# KiCad board Sofle_Pico.kicad_pcb
date: 2024-07-04; rev: v3.5.6
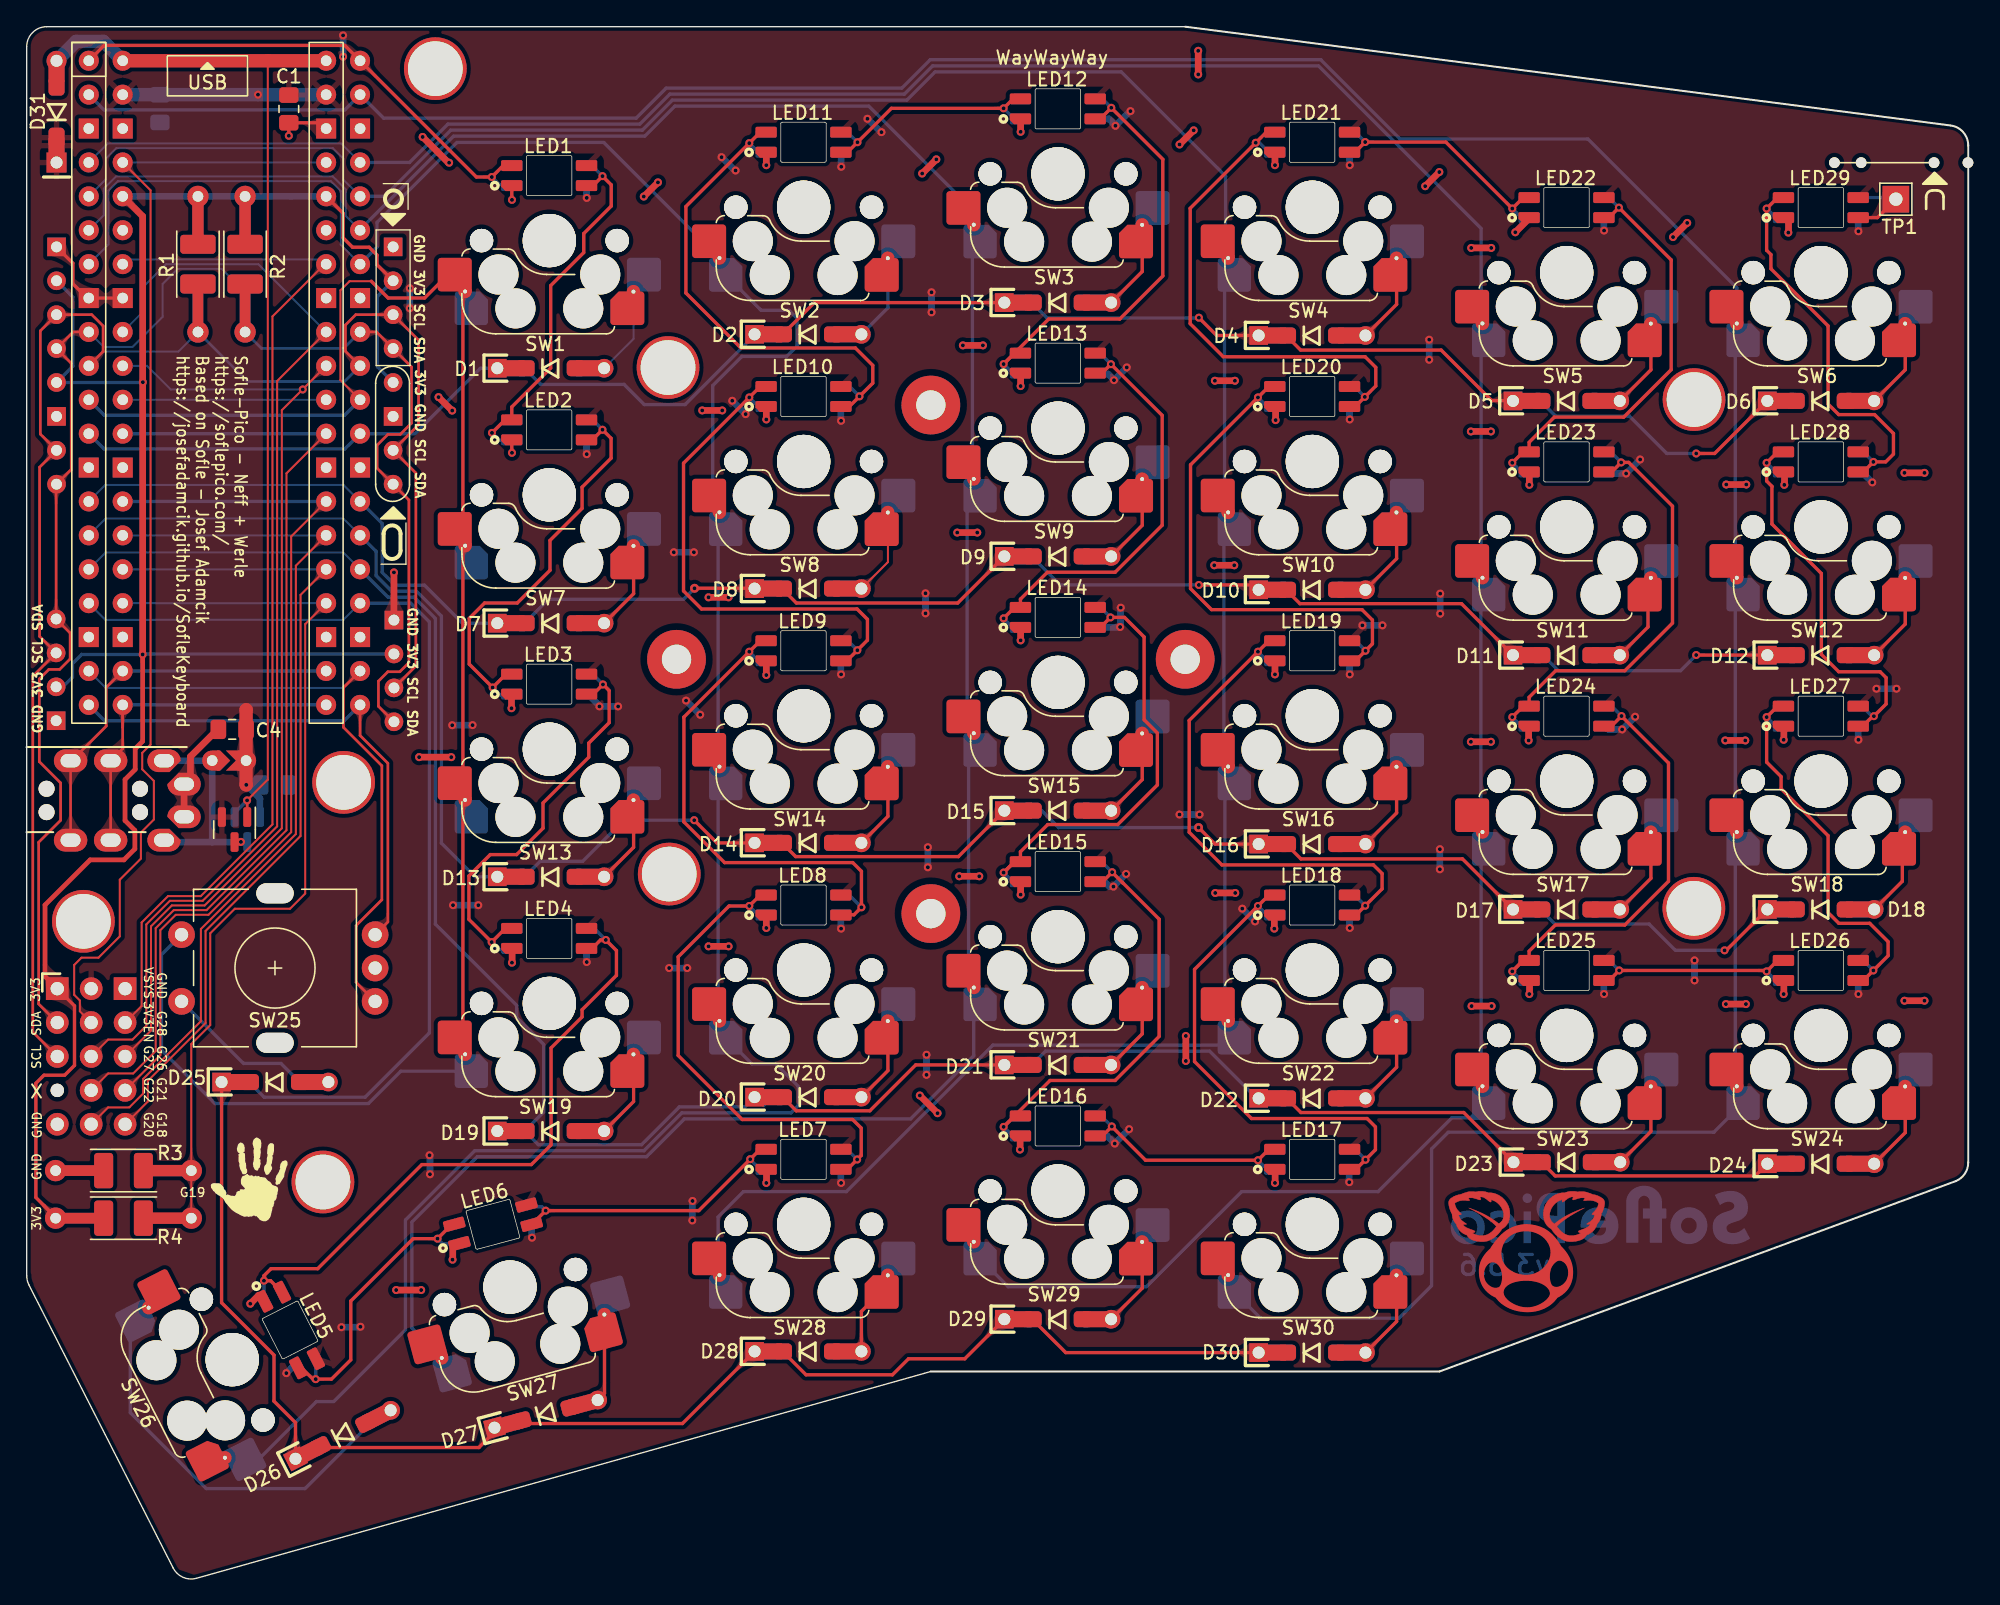
[diagram p0: board, top side]
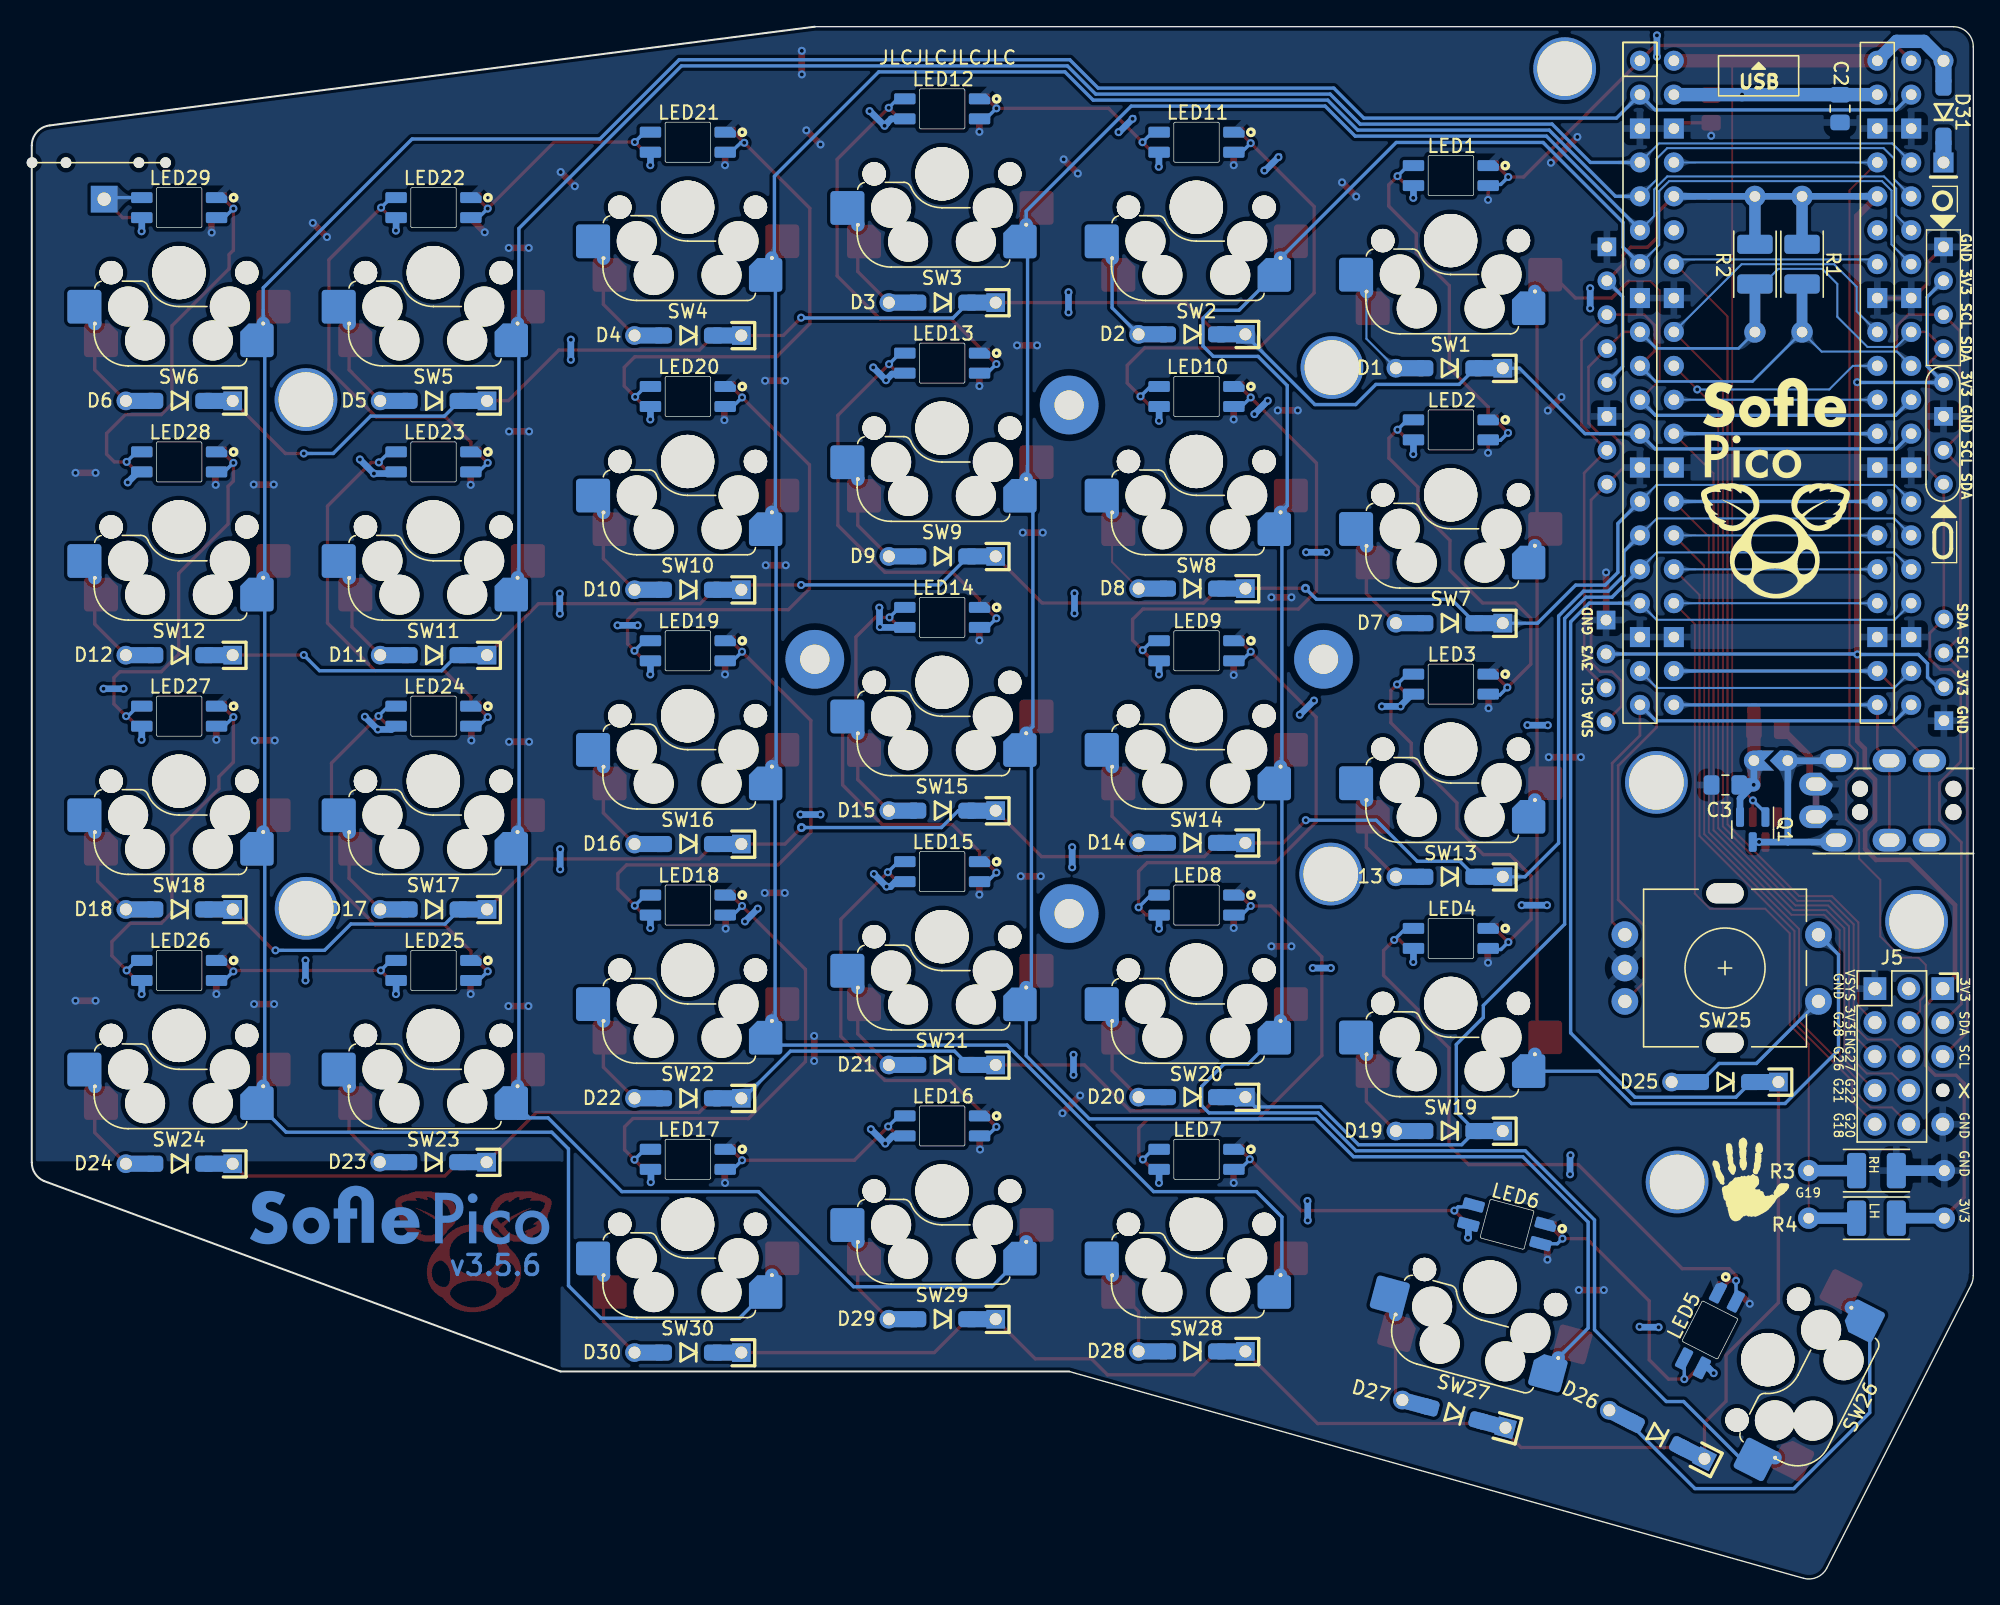
[diagram p1: board, bottom side, seen from below]

Outline 145.42 x 116.25 mm; copper layers: Top, Bottom. Coordinates in mm from the lower left corner of the outline.
Outline path: 0,22.69 0,114.75 arc(0.44,115.81) 1.5,116.25 86.77,116.25 144.09,108.85 arc(145.04,108.35) 145.42,107.35 145.42,31.15 arc(145.17,30.32) 144.52,29.77 105.82,15.5 67.72,15.5 12.71,0 arc(11.7,0.07) 10.97,0.77 0.16,21.98 ; 0.17,21.98 arc(0.04,22.33) 0,22.69
Stack: Top 0.035mm / dielectric 1.51mm FR4 er 4.5 / Bottom 0.035mm

## Placement (name value [footprint] x y rotation side)
C1  1uF  [C_0805_2012Metric_Pad1.18x1.45mm_HandSolder]  19.63 110.08 270 top  (not fitted)
C2  0.1uF  [C_0805_2012Metric_Pad1.18x1.45mm_HandSolder]  9.98 110.11 270 bottom  (not fitted)
C3  0.1uF  [C_0805_2012Metric_Pad1.18x1.45mm_HandSolder]  18.57 59.44 0 bottom  (not fitted)
C4  0.1uF  [C_0805_2012Metric_Pad1.18x1.45mm_HandSolder]  15.39 63.6 180 top  (not fitted)
D1  D  [D_SOD-123_DO-35_Hybrid_DoubleSided_V2]  39.25 90.66 0 bottom
D2  D  [D_SOD-123_DO-35_Hybrid_DoubleSided_V2]  58.52 93.2 0 bottom
D3  D  [D_SOD-123_DO-35_Hybrid_DoubleSided_V2]  77.22 95.58 0 bottom
D4  D  [D_SOD-123_DO-35_Hybrid_DoubleSided_V2]  96.27 93.11 0 bottom
D5  D  [D_SOD-123_DO-35_Hybrid_DoubleSided_V2]  115.32 88.21 0 bottom
D6  D  [D_SOD-123_DO-35_Hybrid_DoubleSided_V2]  134.37 88.21 0 bottom
D7  D  [D_SOD-123_DO-35_Hybrid_DoubleSided_V2]  39.25 71.56 0 bottom
D8  D  [D_SOD-123_DO-35_Hybrid_DoubleSided_V2]  58.52 74.15 0 bottom
D9  D  [D_SOD-123_DO-35_Hybrid_DoubleSided_V2]  77.22 76.56 0 bottom
D10  D  [D_SOD-123_DO-35_Hybrid_DoubleSided_V2]  96.27 74.06 0 bottom
D11  D  [D_SOD-123_DO-35_Hybrid_DoubleSided_V2]  115.32 69.16 0 bottom
D12  D  [D_SOD-123_DO-35_Hybrid_DoubleSided_V2]  134.37 69.16 0 bottom
D13  D  [D_SOD-123_DO-35_Hybrid_DoubleSided_V2]  39.25 52.56 0 bottom
D14  D  [D_SOD-123_DO-35_Hybrid_DoubleSided_V2]  58.52 55.1 0 bottom
D15  D  [D_SOD-123_DO-35_Hybrid_DoubleSided_V2]  77.22 57.51 0 bottom
D16  D  [D_SOD-123_DO-35_Hybrid_DoubleSided_V2]  96.27 55.01 0 bottom
D17  D  [D_SOD-123_DO-35_Hybrid_DoubleSided_V2]  115.32 50.11 0 bottom
D18  D  [D_SOD-123_DO-35_Hybrid_DoubleSided_V2]  134.37 50.11 0 bottom
D19  D  [D_SOD-123_DO-35_Hybrid_DoubleSided_V2]  39.25 33.51 0 bottom
D20  D  [D_SOD-123_DO-35_Hybrid_DoubleSided_V2]  58.52 36.05 0 bottom
D21  D  [D_SOD-123_DO-35_Hybrid_DoubleSided_V2]  77.22 38.46 0 bottom
D22  D  [D_SOD-123_DO-35_Hybrid_DoubleSided_V2]  96.27 35.96 0 bottom
D23  D  [D_SOD-123_DO-35_Hybrid_DoubleSided_V2]  115.36 31.18 0 bottom
D24  D  [D_SOD-123_DO-35_Hybrid_DoubleSided_V2]  134.37 31.06 0 bottom
D25  D  [D_SOD-123_DO-35_Hybrid_DoubleSided_V2]  18.6 37.18 0 bottom
D26  D  [D_SOD-123_DO-35_Hybrid_DoubleSided_V2]  23.7 10.77 27 bottom
D27  D  [D_SOD-123_DO-35_Hybrid_DoubleSided_V2]  38.9 12.32 15 bottom
D28  D  [D_SOD-123_DO-35_Hybrid_DoubleSided_V2]  58.52 17 0 bottom
D29  D  [D_SOD-123_DO-35_Hybrid_DoubleSided_V2]  77.22 19.41 0 bottom
D30  D  [D_SOD-123_DO-35_Hybrid_DoubleSided_V2]  96.27 16.91 0 bottom
D31  MBR120VLSF  [D_SOD-123_DO-41_7.62mm_Hybrid_DoubleSided]  2.23 109.88 90 top  (not fitted)
G***  LOGO  [RH_Print_Logo]  16.66 29.72 0 top
G***#2  LOGO  [LH_Print]  16.66 29.72 180 bottom
J1  Conn_01x05  [Pimaroni_PinHeader_1x05_P2.54mm_Vertical Sofle v3b]  2.29 44.18 0 top
J2  4PIN  [MJ-4PP-9]  -0.01 59.15 90 top
J3  Conn_01x04  [OLED SSD1306 128x64]  14.81 95.95 270 top
J4  Conn_01x04  [Cirque tie in]  27.48 68.02 270 top
J5  Conn_02x05_Odd_Even  [PinHeader_2x05_P2.54mm_Vertical]  7.37 44.18 180 bottom
J7  Conn_01x04  [Cirque tie in]  2.23 68.02 90 top
JP2  SolderJumper_2_Open  [Level Shifter Bypass Jumper]  15.16 61.26 0 top
LED1  SK6803 MINI-E  [SK6803_MINI-E_v3.5.5]  39.13 105.09 180 bottom
LED2  SK6803 MINI-E  [SK6803_MINI-E_v3.5.5]  39.13 86.04 180 bottom
LED3  SK6803 MINI-E  [SK6803_MINI-E_v3.5.5]  39.13 66.99 180 bottom
LED4  SK6803 MINI-E  [SK6803_MINI-E_v3.5.5]  39.13 47.94 180 bottom
LED5  SK6803 MINI-E  [SK6803_MINI-E_v3.5.5#2]  19.72 18.6 117 bottom
LED6  SK6803 MINI-E  [SK6803_MINI-E_v3.5.5]  34.92 26.52 195 bottom
LED7  SK6803 MINI-E  [SK6803_MINI-E_v3.5.5]  58.18 31.39 180 bottom
LED8  SK6803 MINI-E  [SK6803_MINI-E_v3.5.5]  58.18 50.44 180 bottom
LED9  SK6803 MINI-E  [SK6803_MINI-E_v3.5.5]  58.18 69.49 180 bottom
LED10  SK6803 MINI-E  [SK6803_MINI-E_v3.5.5]  58.18 88.54 180 bottom
LED11  SK6803 MINI-E  [SK6803_MINI-E_v3.5.5]  58.18 107.59 180 bottom
LED12  SK6803 MINI-E  [SK6803_MINI-E_v3.5.5]  77.23 110.09 180 bottom
LED13  SK6803 MINI-E  [SK6803_MINI-E_v3.5.5]  77.23 91.04 180 bottom
LED14  SK6803 MINI-E  [SK6803_MINI-E_v3.5.5]  77.23 71.99 180 bottom
LED15  SK6803 MINI-E  [SK6803_MINI-E_v3.5.5]  77.23 52.94 180 bottom
LED16  SK6803 MINI-E  [SK6803_MINI-E_v3.5.5]  77.23 33.89 180 bottom
LED17  SK6803 MINI-E  [SK6803_MINI-E_v3.5.5]  96.28 31.39 180 bottom
LED18  SK6803 MINI-E  [SK6803_MINI-E_v3.5.5]  96.28 50.44 180 bottom
LED19  SK6803 MINI-E  [SK6803_MINI-E_v3.5.5]  96.28 69.49 180 bottom
LED20  SK6803 MINI-E  [SK6803_MINI-E_v3.5.5]  96.28 88.54 180 bottom
LED21  SK6803 MINI-E  [SK6803_MINI-E_v3.5.5]  96.28 107.59 180 bottom
LED22  SK6803 MINI-E  [SK6803_MINI-E_v3.5.5]  115.33 102.69 180 bottom
LED23  SK6803 MINI-E  [SK6803_MINI-E_v3.5.5]  115.33 83.64 180 bottom
LED24  SK6803 MINI-E  [SK6803_MINI-E_v3.5.5]  115.33 64.59 180 bottom
LED25  SK6803 MINI-E  [SK6803_MINI-E_v3.5.5]  115.33 45.54 180 bottom
LED26  SK6803 MINI-E  [SK6803_MINI-E_v3.5.5]  134.38 45.54 180 bottom
LED27  SK6803 MINI-E  [SK6803_MINI-E_v3.5.5]  134.38 64.59 180 bottom
LED28  SK6803 MINI-E  [SK6803_MINI-E_v3.5.5]  134.38 83.64 180 bottom
LED29  SK6803 MINI-E  [SK6803_MINI-E_v3.5.5]  134.38 102.69 180 bottom
Q1  Si2301CDS  [SOT-23_DS]  16.52 56.1 270 bottom
R1  2.2k  [Res_1206_SMD_6.3mm_TH_Hybrid]  12.83 103.53 270 bottom
R2  2.2k  [Res_1206_SMD_6.3mm_TH_Hybrid]  16.36 103.53 270 bottom
R3  2.2k  [Res_1206_SMD_6.3mm_TH_Hybrid]  12.33 30.54 180 bottom
R4  2.2k  [Res_1206_SMD_6.3mm_TH_Hybrid]  12.33 26.98 180 bottom
REF**  Tenting Puck  [Tenting_Puck.kicad_mod_nocenter_v2]  67.72 68.85 0 top
REF**#2  -  [sofle diode jig]  145.4 106.06 0 top
REF**#3  -  [Sofle Pico Logo copper]  112.35 24.47 0 top
REF**#4  -  [Sofle Pico logo w text vertical]  14.82 81.67 180 bottom
REF**#5  -  [Sofle Pico Logo text only]  117.87 27.22 180 bottom
STP**  -  [Cirque_40mm_OLED_RH]  0.65 75.17 0 top
SW1  SW_PUSH  [Cherry_MX_DS_Hotswap_v3.5.4]  39.15 100.22 0 bottom
SW2  SW_PUSH  [Cherry_MX_DS_Hotswap_v3.5.4]  58.2 102.72 0 bottom
SW3  SW_PUSH  [Cherry_MX_DS_Hotswap_v3.5.4]  77.25 105.22 0 bottom
SW4  SW_PUSH  [Cherry_MX_DS_Hotswap_v3.5.4]  96.3 102.72 0 bottom
SW5  SW_PUSH  [Cherry_MX_DS_Hotswap_v3.5.4]  115.35 97.82 0 bottom
SW6  SW_PUSH  [Cherry_MX_DS_Hotswap_v3.5.4]  134.4 97.82 0 bottom
SW7  SW_PUSH  [Cherry_MX_DS_Hotswap_v3.5.4]  39.15 81.17 0 bottom
SW8  SW_PUSH  [Cherry_MX_DS_Hotswap_v3.5.4]  58.2 83.67 0 bottom
SW9  SW_PUSH  [Cherry_MX_DS_Hotswap_v3.5.4]  77.25 86.17 0 bottom
SW10  SW_PUSH  [Cherry_MX_DS_Hotswap_v3.5.4]  96.3 83.67 0 bottom
SW11  SW_PUSH  [Cherry_MX_DS_Hotswap_v3.5.4]  115.35 78.77 0 bottom
SW12  SW_PUSH  [Cherry_MX_DS_Hotswap_v3.5.4]  134.4 78.77 0 bottom
SW13  SW_PUSH  [Cherry_MX_DS_Hotswap_v3.5.4]  39.15 62.12 0 bottom
SW14  SW_PUSH  [Cherry_MX_DS_Hotswap_v3.5.4]  58.2 64.62 0 bottom
SW15  SW_PUSH  [Cherry_MX_DS_Hotswap_v3.5.4]  77.25 67.12 0 bottom
SW16  SW_PUSH  [Cherry_MX_DS_Hotswap_v3.5.4]  96.3 64.62 0 bottom
SW17  SW_PUSH  [Cherry_MX_DS_Hotswap_v3.5.4]  115.35 59.72 0 bottom
SW18  SW_PUSH  [Cherry_MX_DS_Hotswap_v3.5.4]  134.4 59.72 0 bottom
SW19  SW_PUSH  [Cherry_MX_DS_Hotswap_v3.5.4]  39.15 43.07 0 bottom
SW20  SW_PUSH  [Cherry_MX_DS_Hotswap_v3.5.4]  58.2 45.57 0 bottom
SW21  SW_PUSH  [Cherry_MX_DS_Hotswap_v3.5.4]  77.25 48.07 0 bottom
SW22  SW_PUSH  [Cherry_MX_DS_Hotswap_v3.5.4]  96.3 45.57 0 bottom
SW23  SW_PUSH  [Cherry_MX_DS_Hotswap_v3.5.4]  115.35 40.67 0 bottom
SW24  SW_PUSH  [Cherry_MX_DS_Hotswap_v3.5.4]  134.4 40.67 0 bottom
SW25  Rotary_Encoder_Switch-Device  [RotaryEncoder_Alps_EC11E-Switch_Vertical_H20mm-keebio_modified]  18.6 45.72 180 top
SW26  SW_PUSH  [Cherry_MX_DS_Hotswap_v3.5.4]  15.39 16.38 297 bottom
SW27  SW_PUSH  [Cherry_MX_DS_Hotswap_v3.5.4]  36.2 21.82 15 bottom
SW28  SW_PUSH  [Cherry_MX_DS_Hotswap_v3.5.4]  58.2 26.52 0 bottom
SW29  SW_PUSH  [Cherry_MX_DS_Hotswap_v3.5.4]  77.25 29.02 0 bottom
SW30  SW_PUSH  [Cherry_MX_DS_Hotswap_v3.5.4]  96.3 26.52 0 bottom
TH1  HOLE  [Hole from sofle for M2 posts gold rimmer wide-keyplate-hole]  4.25 49.22 0 top
TH2  HOLE  [Hole from sofle for M2 posts gold rimmer wide-keyplate-hole]  23.74 59.63 0 top
TH3  HOLE  [Hole from sofle for M2 posts gold rimmer]  48.04 90.71 0 top
TH4  HOLE  [Hole from sofle for M2 posts gold rimmer]  124.89 88.31 0 top
TH5  HOLE  [Hole from sofle for M2 posts gold rimmer]  48.13 52.76 0 top
TH6  HOLE  [Hole from sofle for M2 posts gold rimmer]  124.87 50.2 0 top
TH7  HOLE  [Hole from sofle for M2 posts gold rimmer wide-keyplate-hole]  30.61 113.1 0 top
TH8  HOLE  [Hole from sofle for M2 posts gold rimmer]  22.19 29.69 0 top
TP1  TestPoint  [TestPoint_THTPad_2.0x2.0mm_Drill1.0mm]  140 103.33 0 top
U2  Pico  [RPi_Pico_SMD_TH_DS]  14.81 89.57 0 top

## Library data of the parts
C1 = -: Dielectric: X7R; JLCPCB_PN: C28323; MFG: Samsung; MFG PN: CL21B105KBFNNNE; Tolerance (%): 10; Voltage Rating: 50V; ki_fp_filters: C_*
C2-C4 = -: Dielectric: X7R; JLCPCB_PN: C49678; MFG: YAGEO; MFG PN: CC0805KRX7R9BB104; Tolerance (%): 10; Voltage Rating: 50V; ki_fp_filters: C_*
D1-D30 = -: JLCPCB_PN: C81598; MFG: Semtech; MFG PN: 1N4148W; Voltage Rating: 75v; ki_fp_filters: TO-???* *_Diode_* *SingleDiode* D_*
D31 = -: Datasheet: http://www.vishay.com/docs/88525/1n5817.pdf; TH_Val: 1N5817; ki_fp_filters: D*DO?41*
J1 J3 J4 J7 = -: ki_fp_filters: Connector*:*_1x??_*
J5 = -: ki_fp_filters: Connector*:*_2x??_*
JP2 = -: ki_fp_filters: SolderJumper*Open*
Q1 = -: Description: SOT-23 P-MOSFET enchancement mode transistor, 20V, 4.2A, 1.4W, Alternate KiCAD Library; JLCPCB_PN: C10487; Sim.Device: SUBCKT; Sim.Library: C:\Users\ext.peter.werle\Documents\custom_keyboards\Datasheets\MOSFET\JLCPCB parts\si2301cds_ps Rev B.txt; Sim.Pins: 1=D 2=G 3=S
R1-R4 = -: ki_fp_filters: R_*
SW25 = -: ki_fp_filters: RotaryEncoder*Switch*
TH1-TH8 = -: ki_fp_filters: MountingHole*
TP1 = -: JLCPCB_PN: C94111; ki_fp_filters: Pin* Test*

## Footprints (pads in the part's own frame, mm; a bottom-side part is the same pattern mirrored in y, then rotated)
C_0805_2012Metric_Pad1.18x1.45mm_HandSolder
  rrect 1.175x1.45 smd: 1(-1.038,0) 2(1.038,0)
Cherry_MX_DS_Hotswap_v3.5.4
  round 1.75 hole 1.75 unplated: (-5.08,0) (-5.08,0) (5.08,0) (5.08,0)
  round 3 hole 3 unplated: (-3.81,2.54) (-2.54,5.08) (2.54,5.08) (3.81,2.54)
  round 3.988 hole 3.988 unplated: (0,0) (0,0)
  rrect 2.55x2.52 smd far side: 1(-7.085,2.55) 2(5.842,5.07)
  round 1 hole 0.3: 1(-6.31,3.81) 2(6.3,3.82)
  rrect 2.5x2.52 smd: 1(-5.842,5.07)
  rrect 2.55x2.53 smd: 2(7.085,2.555)
Cirque tie in
  round 1.397 hole 0.813: 1(3.85,0.03) 2(1.31,0.03) 3(-1.23,0.03)
  rect 1.397x1.397 hole 0.813: 4(-3.77,0.03)
D_SOD-123_DO-35_Hybrid_DoubleSided_V2
  rect 1.4x1.4 hole 0.9: 1(-4,0)
  rect 1.6x1.2 smd far side: 1(-2.75,0)
  rect 1.6x1.2 smd: 1(-2.7,0)
  rrect 1.5x1.2 smd: 1(-1.95,0)
  rrect 1.4x1.2 smd far side: 1(-1.9,0) 2(1.9,0)
  rrect 1.4x1.2 smd: 2(1.9,0)
  rect 2.12x1.2 smd: 2(2.96,0)
  rect 2.14x1.2 smd far side: 2(2.97,0)
  round 1.4 hole 0.9: 2(4,0)
D_SOD-123_DO-41_7.62mm_Hybrid_DoubleSided
  rect 1.5x1.5 hole 0.9: 1(-3.81,0)
  rect 1.2x1.2 smd far side: 1(-2.76,0.001) 2(2.8,0)
  rect 1.2x1.2 smd: 1(-2.55,0) 2(2.8,0)
  rrect 1.5x1.2 smd: 1(-1.95,0)
  rrect 1.5x1.2 smd far side: 1(-1.95,0)
  rrect 1.4x1.2 smd: 2(1.9,0)
  rrect 1.4x1.2 smd far side: 2(1.9,0)
  oval 1.5x1.5 hole 0.9: 2(3.81,0)
Hole from sofle for M2 posts gold rimmer
  round 4.7 hole 4.1: (0,0)
Hole from sofle for M2 posts gold rimmer wide-keyplate-hole
  round 4.7 hole 4.1: (0,0)
Level Shifter Bypass Jumper
  rrect 1.5x1.5 hole 0.8: 1(-1.27,0) 2(1.27,0)
  custom 1x1.5 smd: 1(-0.42,0)
  custom 1x1.5 smd far side: 1(-0.42,0)
  custom 1.25x1.5 smd: 2(0.75,0)
  custom 1.25x1.5 smd far side: 2(0.75,0)
MJ-4PP-9
  round 1.2 hole 1.2 unplated: (-1.75,-1.5) (-1.75,-8.5) (0,-1.5) (0,-8.5)
  rrect 1.7x2.5 hole 1x1.5: 1(-2.1,-11.8) 1(0.35,-11.8) 2(-3.85,-10.3) 2(2.1,-10.3)
  oval 1.7x2.5 hole 1x1.5: 3(-3.85,-6.3) 3(2.1,-6.3) 4(-3.85,-3.3) 4(2.1,-3.3)
OLED SSD1306 128x64
  round 1.397 hole 0.813: 1(3.82,12.635) 1(3.82,-12.575) 1(13.98,12.635) 1(13.98,-12.575) 2(1.28,12.635) 2(1.28,-12.575) 2(11.44,12.635) 2(11.44,-12.575) 3(-1.26,12.635) 3(-1.26,-12.575) 3(6.36,12.635) 3(6.36,-12.575)
  rect 1.397x1.397 hole 0.813: 4(-3.8,12.635) 4(-3.8,-12.575) 4(8.9,12.635) 4(8.9,-12.575)
Pimaroni_PinHeader_1x05_P2.54mm_Vertical Sofle v3b
  round 1 hole 1 unplated: (0,-7.62)
  rect 1.7x1.7 hole 1: 1(0,0)
  oval 1.7x1.7 hole 1: 2(0,-2.54) 3(0,-5.08) 5(0,-10.16)
PinHeader_2x05_P2.54mm_Vertical
  rect 1.7x1.7 hole 1: 1(0,0)
  oval 1.7x1.7 hole 1: 2(2.54,0) 3(0,-2.54) 4(2.54,-2.54) 5(0,-5.08) 6(2.54,-5.08) 7(0,-7.62) 8(2.54,-7.62) 9(0,-10.16) 10(2.54,-10.16)
Res_1206_SMD_6.3mm_TH_Hybrid
  round 1.6 hole 0.8: 1(0,0)
  rect 3.025x0.85 smd: 1(1.512,0)
  rect 3.025x0.85 smd far side: 1(1.525,0)
  rrect 1.425x2.65 smd far side: 1(3.587,0) 2(6.562,0)
  rrect 1.425x2.65 smd: 1(3.587,0) 2(6.562,0)
  rect 3x0.8 smd: 2(8.675,0)
  rect 3x0.8 smd far side: 2(8.688,0)
  oval 1.6x1.6 hole 0.8: 2(10.16,0)
RotaryEncoder_Alps_EC11E-Switch_Vertical_H20mm-keebio_modified
  oval 2.8x1.5 hole 2.8x1.5 unplated: (0,5.6) (0,-5.6)
  round 2 hole 1: A(-7.5,2.5) B(-7.5,-2.5) C(-7.5,0) S1(7,-2.5) S2(7,2.5)
RPi_Pico_SMD_TH_DS
  round 1.5 hole 0.8: 1(-10.16,24.13) 1(10.16,24.13) 2(-10.16,21.59) 2(10.16,21.59) 4(-10.16,16.51) 4(10.16,16.51) 5(-10.16,13.97) 5(10.16,13.97) 6(-10.16,11.43) 6(10.16,11.43) 7(-10.16,8.89) 7(10.16,8.89) 9(-10.16,3.81) 9(10.16,3.81) 10(-10.16,1.27) 10(10.16,1.27) 11(-10.16,-1.27) 11(10.16,-1.27) 12(-10.16,-3.81) 12(10.16,-3.81) 14(-10.16,-8.89) 14(10.16,-8.89) 15(-10.16,-11.43) 15(10.16,-11.43) 16(-10.16,-13.97) 16(10.16,-13.97) 17(-10.16,-16.51) 17(10.16,-16.51) 19(-10.16,-21.59) 19(10.16,-21.59) 20(-10.16,-24.13) 20(10.16,-24.13) 21(-7.62,-24.13) 21(7.62,-24.13) 22(-7.62,-21.59) 22(7.62,-21.59) 24(-7.62,-16.51) 24(7.62,-16.51) 25(-7.62,-13.97) 25(7.62,-13.97) 26(-7.62,-11.43) 26(7.62,-11.43) 27(-7.62,-8.89) 27(7.62,-8.89) 29(-7.62,-3.81) 29(7.62,-3.81) 30(-7.62,-1.27) 30(7.62,-1.27) 31(-7.62,1.27) 31(7.62,1.27) 32(-7.62,3.81) 32(7.62,3.81) 34(-7.62,8.89) 34(7.62,8.89) 35(-7.62,11.43) 35(7.62,11.43) 36(-7.62,13.97) 36(7.62,13.97) 37(-7.62,16.51) 37(7.62,16.51) 39(-7.62,21.59) 39(7.62,21.59) 40(-7.62,24.13) 40(7.62,24.13)
  rect 1.5x1.5 hole 0.8: 3(-10.16,19.05) 3(10.16,19.05) 8(-10.16,6.35) 8(10.16,6.35) 13(-10.16,-6.35) 13(10.16,-6.35) 18(-10.16,-19.05) 18(10.16,-19.05) 23(-7.62,-19.05) 23(7.62,-19.05) 28(-7.62,-6.35) 28(7.62,-6.35) 33(-7.62,6.35) 33(7.62,6.35) 38(-7.62,19.05) 38(7.62,19.05)
SK6803_MINI-E_v3.5.5
  rrect 1.6x0.82 smd far side: 1(2.8,-0.75) 2(2.8,0.75) 3(-2.8,0.75) 4(-2.8,-0.75)
  rrect 1.6x0.82 smd: 1(2.8,0.75) 2(2.8,-0.75) 3(-2.8,-0.75) 4(-2.8,0.75)
SK6803_MINI-E_v3.5.5#2
  rrect 1.6x0.82 smd far side: 1(2.8,-0.75) 2(2.8,0.75) 3(-2.8,0.75) 4(-2.8,-0.75)
  rrect 1.6x0.82 smd: 1(2.8,0.75) 2(2.8,-0.75) 3(-2.8,-0.75) 4(-2.8,0.75)
sofle diode jig
  round 0.8 hole 0.8 unplated: (-10,0) (-8,0) (-2.54,0) (0,0)
SOT-23_DS
  rrect 1.475x0.6 smd: 1(-0.938,0.95) 2(-0.938,-0.95) 3(0.938,0)
  rrect 1.475x0.6 smd far side: 1(-0.935,0.006) 2(-0.935,1.906) 3(0.94,0.956)
Tenting_Puck.kicad_mod_nocenter_v2
  round 4.4 hole 2.2: 1(-19.05,0) 1(0,19.05) 1(0,-19.05) 1(19.05,0)
TestPoint_THTPad_2.0x2.0mm_Drill1.0mm
  rect 2x2 hole 1: 1(0,0)
